# KiCad board ciaa_acc.kicad_pcb (continued)
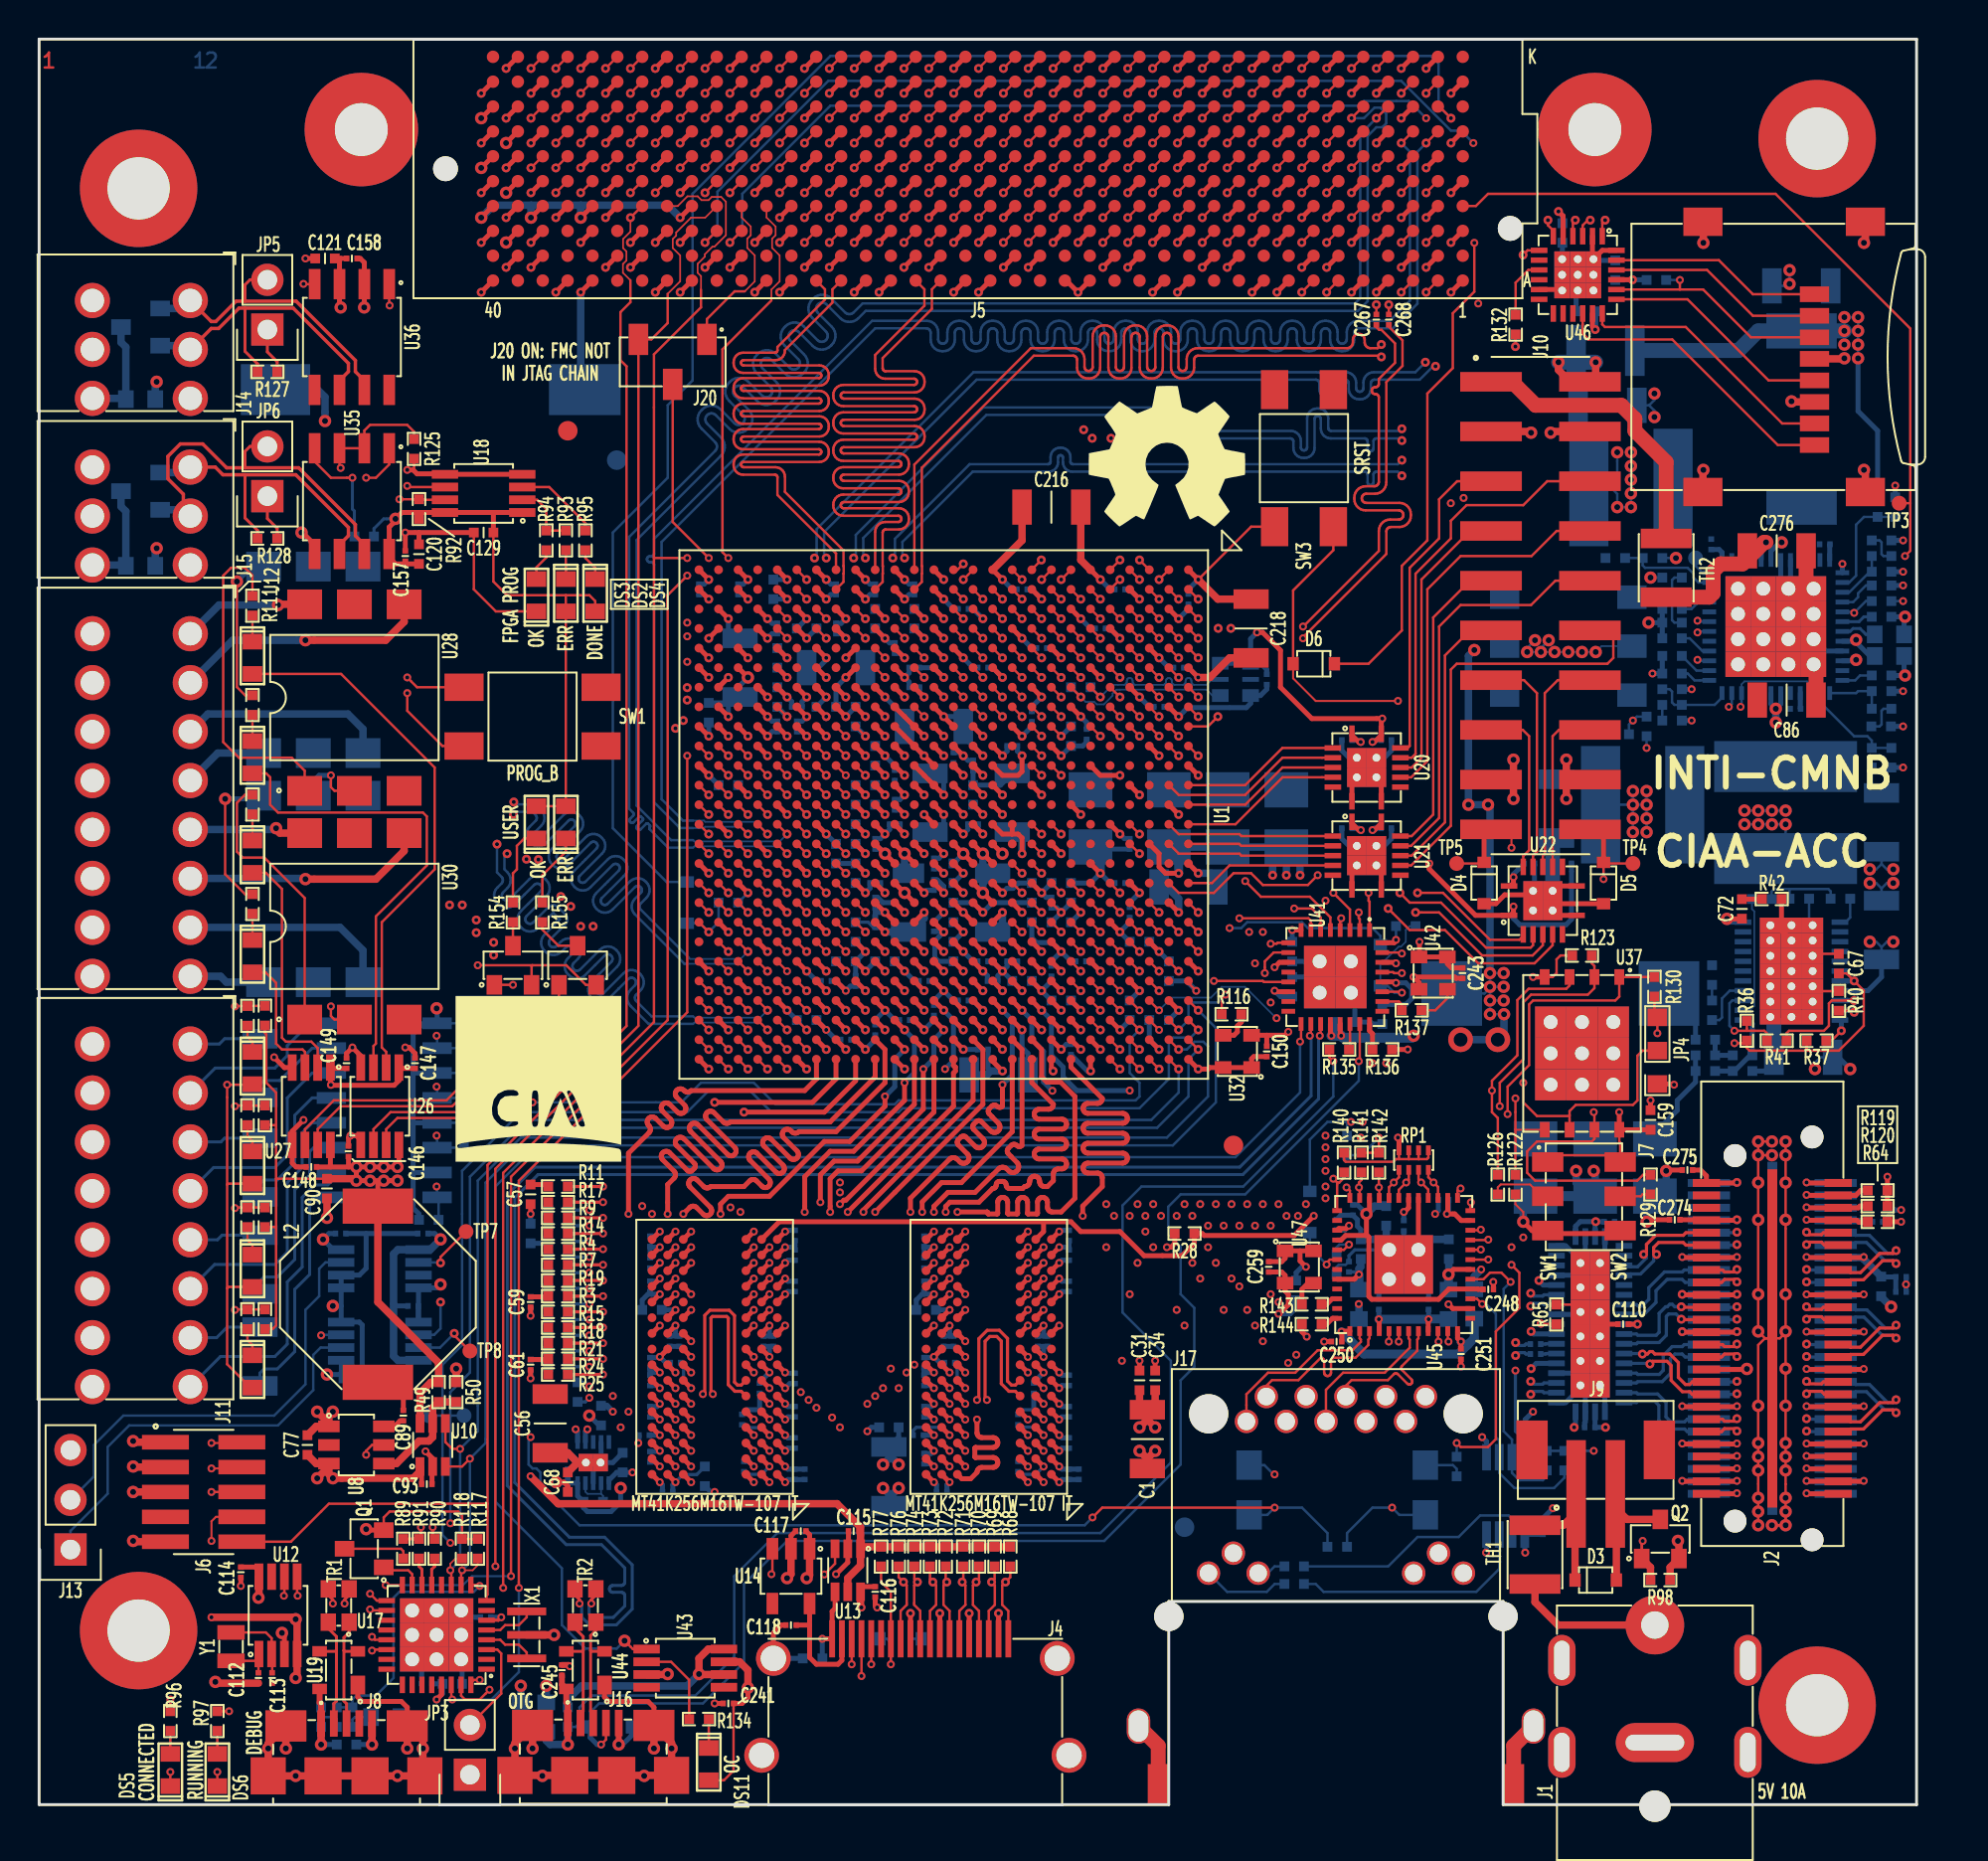
[diagram p0: board, top side]
## Routing (per net, layer and track width the routed paths; a pad name or vN(x,y) marks a point on that pad's centre or on a via; arc(x,y) is an arc through that point) (continued)
/Principal/BANK_502/DDR_A14: length 76.5
  TOP_L1.Sig w0.165: R17.2 v1(28.8,30.77)
  TOP_L1.Sig w0.254: U3.T7 v1(33.3,29.27) ; U2.T7 v1(47.3,29.27) ; U1.R20 v2(45.2,43.57)
  L3.Sig w0.165: v1(47.3,29.27) 47.3,29.67 47.7,29.67 ; v2(45.2,43.57) 45.7,43.07 45.7,37.17 45.7,37.13 45.68,37.09 45.66,37.05 45.63,37.02 45.59,37 45.55,36.98 45.51,36.98 45.19,36.98 45.15,36.98 45.11,36.96 45.07,36.94 45.04,36.91 45.02,36.87 45,36.83 45,36.79 45,36.75 45.02,36.71 45.04,36.67 45.07,36.64 45.11,36.62 45.15,36.6 45.19,36.6 46.21,36.6 46.25,36.59 46.29,36.58 46.33,36.56 46.36,36.53 46.38,36.49 46.4,36.45 46.4,36.41 46.4,36.37 46.38,36.33 46.36,36.29 46.33,36.26 46.29,36.24 46.25,36.22 46.21,36.22 45.89,36.22 45.85,36.21 45.81,36.2 45.77,36.18 45.74,36.15 45.72,36.11 45.7,36.07 45.7,36.03 45.7,35.99 45.72,35.95 45.74,35.91 45.77,35.88 45.81,35.86 45.85,35.84 45.89,35.84 46.21,35.84 46.25,35.83 46.29,35.82 46.33,35.8 46.36,35.77 46.38,35.73 46.4,35.69 46.4,35.65 46.4,35.61 46.38,35.57 46.36,35.53 46.33,35.5 46.29,35.48 46.25,35.46 46.21,35.46 45.89,35.46 45.85,35.45 45.81,35.44 45.77,35.42 45.74,35.39 45.72,35.35 45.7,35.31 45.7,35.27 45.7,35.23 45.72,35.19 45.74,35.15 45.77,35.12 45.81,35.1 45.85,35.08 45.89,35.08 46.21,35.08 46.25,35.07 46.29,35.06 46.33,35.04 46.36,35.01 46.38,34.97 46.4,34.93 46.4,34.89 46.4,34.85 46.38,34.81 46.36,34.77 46.33,34.74 46.29,34.72 46.25,34.7 46.21,34.7 45.89,34.7 45.85,34.69 45.81,34.68 45.77,34.66 45.74,34.63 45.72,34.59 45.7,34.55 45.7,34.51 45.7,34.47 45.72,34.43 45.74,34.39 45.77,34.36 45.81,34.34 45.85,34.32 45.89,34.32 46.21,34.32 46.25,34.31 46.29,34.3 46.33,34.28 46.36,34.25 46.38,34.21 46.4,34.17 46.4,34.13 46.4,34.09 46.38,34.05 46.36,34.01 46.33,33.98 46.29,33.96 46.25,33.94 46.21,33.94 45.89,33.94 45.85,33.93 45.81,33.92 45.77,33.9 45.74,33.87 45.72,33.83 45.7,33.79 45.7,33.75 45.7,33.71 45.72,33.67 45.74,33.63 45.77,33.6 45.81,33.58 45.85,33.56 45.89,33.56 46.21,33.56 46.25,33.55 46.29,33.54 46.33,33.52 46.36,33.49 46.38,33.45 46.4,33.41 46.4,33.37 46.4,33.33 46.38,33.29 46.36,33.25 46.33,33.22 46.29,33.2 46.25,33.18 46.21,33.18 45.89,33.18 45.85,33.17 45.81,33.16 45.77,33.14 45.74,33.11 45.72,33.07 45.7,33.03 45.7,32.99 45.7,32.47 46.1,32.07 46.14,32.07 46.18,32.09 46.22,32.11 46.25,32.14 46.27,32.18 46.29,32.22 46.29,32.26 46.29,32.48 46.29,32.52 46.31,32.56 46.33,32.6 46.36,32.63 46.4,32.65 46.44,32.67 46.48,32.67 46.52,32.67 46.56,32.65 46.6,32.63 46.63,32.6 46.65,32.56 46.67,32.52 46.67,32.48 46.67,32.26 46.68,32.22 46.69,32.18 46.71,32.14 46.74,32.11 46.78,32.09 46.82,32.07 46.86,32.07 46.9,32.07 46.94,32.09 46.98,32.11 47.01,32.14 47.03,32.18 47.05,32.22 47.05,32.26 47.05,32.38 47.06,32.42 47.07,32.46 47.09,32.5 47.12,32.53 47.16,32.55 47.2,32.57 47.24,32.57 47.28,32.57 47.32,32.55 47.36,32.53 47.39,32.5 47.41,32.46 47.43,32.42 47.43,32.38 47.43,32.26 47.44,32.22 47.45,32.18 47.47,32.14 47.5,32.11 47.54,32.09 47.58,32.07 47.62,32.07 47.66,32.07 47.7,32.09 47.74,32.11 47.77,32.14 47.79,32.18 47.81,32.22 47.81,32.26 47.81,32.38 47.82,32.42 47.83,32.46 47.85,32.5 47.88,32.53 47.92,32.55 47.96,32.57 48,32.57 48.04,32.57 48.08,32.55 48.12,32.53 48.15,32.5 48.17,32.46 48.19,32.42 48.19,32.38 48.19,32.26 48.2,32.22 48.21,32.18 48.23,32.14 48.26,32.11 48.3,32.09 48.34,32.07 48.38,32.07 48.42,32.07 48.46,32.09 48.5,32.11 48.53,32.14 48.55,32.18 48.57,32.22 48.57,32.26 48.57,32.38 48.58,32.42 48.59,32.46 48.61,32.5 48.64,32.53 48.68,32.55 48.72,32.57 48.76,32.57 48.8,32.57 48.84,32.55 48.88,32.53 48.91,32.5 48.93,32.46 48.95,32.42 48.95,32.38 48.95,32.26 48.96,32.22 48.97,32.18 48.99,32.14 49.02,32.11 49.06,32.09 49.1,32.07 49.14,32.07 49.18,32.07 49.22,32.09 49.26,32.11 49.29,32.14 49.31,32.18 49.33,32.22 49.33,32.26 49.33,32.38 49.34,32.42 49.35,32.46 49.37,32.5 49.4,32.53 49.44,32.55 49.48,32.57 49.52,32.57 49.56,32.57 49.6,32.55 49.64,32.53 49.67,32.5 49.69,32.46 49.71,32.42 49.71,32.38 49.71,32.26 49.72,32.22 49.73,32.18 49.75,32.14 49.78,32.11 49.82,32.09 49.86,32.07 49.9,32.07 49.94,32.07 49.98,32.09 50.02,32.11 50.05,32.14 50.07,32.18 50.09,32.22 50.09,32.26 50.09,32.38 50.1,32.42 50.11,32.46 50.13,32.5 50.16,32.53 50.2,32.55 50.24,32.57 50.28,32.57 50.32,32.57 50.36,32.55 50.4,32.53 50.43,32.5 50.45,32.46 50.47,32.42 50.47,32.38 50.47,32.26 50.48,32.22 50.49,32.18 50.51,32.14 50.54,32.11 50.58,32.09 50.62,32.07 50.66,32.07 50.7,32.07 50.74,32.09 50.78,32.11 50.81,32.14 50.83,32.18 50.85,32.22 50.85,32.26 50.85,32.38 50.86,32.42 50.87,32.46 50.89,32.5 50.92,32.53 50.96,32.55 51,32.57 51.04,32.57 51.08,32.57 51.13,32.55 51.16,32.53 51.19,32.5 51.21,32.46 51.23,32.42 51.23,32.38 51.23,32.26 51.24,32.22 51.25,32.18 51.27,32.14 51.3,32.11 51.34,32.09 51.38,32.07 51.42,32.07 51.47,32.07 51.51,32.09 51.54,32.11 51.57,32.14 51.59,32.18 51.61,32.22 51.61,32.26 51.61,32.38 51.62,32.42 51.63,32.46 51.65,32.5 51.68,32.53 51.72,32.55 51.76,32.57 51.8,32.57 51.85,32.57 51.89,32.55 51.92,32.53 51.95,32.5 51.97,32.46 51.99,32.42 51.99,32.38 51.99,32.26 52,32.22 52.01,32.18 52.03,32.14 52.06,32.11 52.1,32.09 52.14,32.07 52.18,32.07 52.23,32.07 52.27,32.09 52.3,32.11 52.33,32.14 52.35,32.18 52.37,32.22 52.37,32.26 52.37,32.38 52.38,32.42 52.39,32.46 52.41,32.5 52.44,32.53 52.48,32.55 52.52,32.57 52.56,32.57 52.61,32.57 52.65,32.55 52.68,32.53 52.71,32.5 52.73,32.46 52.75,32.42 52.75,32.38 52.75,32.26 52.76,32.22 52.77,32.18 52.79,32.14 52.83,32.11 52.86,32.09 52.9,32.07 52.96,32.07 52.98,32.06 52.99,32.05 53,32.04 53.01,32.03 53.02,32.01 53.02,31.98 53.03,31.96 53.03,31.95 53.05,31.94 53.06,31.93 53.08,31.92 53.09,31.92 53.32,31.92 53.34,31.92 53.36,31.93 53.37,31.94 53.38,31.95 53.39,31.96 53.4,31.98 53.4,32 53.4,32.38 53.4,32.42 53.42,32.46 53.44,32.5 53.47,32.53 53.51,32.55 53.55,32.57 53.59,32.57 53.63,32.57 53.67,32.55 53.71,32.53 53.74,32.5 53.76,32.46 53.77,32.42 53.78,32.38 53.78,31.76 53.78,31.72 53.8,31.68 53.82,31.64 53.85,31.61 53.89,31.59 53.93,31.57 53.97,31.57 54.01,31.57 54.05,31.59 54.09,31.61 54.12,31.64 54.14,31.68 54.15,31.72 54.16,31.76 54.16,32.38 54.16,32.42 54.18,32.46 54.2,32.5 54.23,32.53 54.27,32.55 54.31,32.57 54.35,32.57 54.39,32.57 54.43,32.55 54.47,32.53 54.5,32.5 54.52,32.46 54.53,32.42 54.54,32.38 54.54,32.26 54.54,32.22 54.56,32.18 54.58,32.14 54.61,32.11 54.65,32.09 54.69,32.07 54.73,32.07 55.11,32.07 55.3,31.88 55.3,29.87 55.1,29.67 52.8,29.67 52.79,29.67 52.78,29.67 52.77,29.66 52.76,29.65 52.75,29.64 52.75,29.63 52.75,29.61 52.75,29.6 52.74,29.59 52.73,29.58 52.72,29.57 52.71,29.57 52.7,29.57 52.4,29.57 52.39,29.57 52.38,29.57 52.37,29.58 52.36,29.59 52.35,29.6 52.35,29.61 52.35,29.62 52.35,30.1 52.34,30.14 52.33,30.18 52.31,30.22 52.27,30.25 52.24,30.28 52.19,30.29 52.15,30.3 52.11,30.29 52.06,30.28 52.03,30.25 51.99,30.22 51.97,30.18 51.96,30.14 51.95,30.1 51.95,29.87 51.94,29.83 51.93,29.78 51.91,29.75 51.87,29.71 51.84,29.69 51.79,29.68 51.75,29.67 51.71,29.68 51.66,29.69 51.63,29.71 51.59,29.75 51.57,29.78 51.56,29.83 51.55,29.87 51.55,30.1 51.54,30.14 51.53,30.18 51.51,30.22 51.47,30.25 51.44,30.28 51.39,30.29 51.35,30.3 51.31,30.29 51.26,30.28 51.23,30.25 51.19,30.22 51.17,30.18 51.16,30.14 51.15,30.1 51.15,29.62 51.15,29.61 51.15,29.6 51.14,29.59 51.13,29.58 51.12,29.57 51.11,29.57 51.1,29.57 50.8,29.57 50.79,29.57 50.78,29.57 50.77,29.58 50.76,29.59 50.75,29.6 50.75,29.61 50.75,29.62 50.75,30.1 50.74,30.14 50.73,30.18 50.71,30.22 50.67,30.25 50.64,30.28 50.59,30.29 50.55,30.3 50.51,30.29 50.46,30.28 50.43,30.25 50.39,30.22 50.37,30.18 50.36,30.14 50.35,30.1 50.35,29.87 50.34,29.83 50.33,29.78 50.31,29.75 50.27,29.71 50.24,29.69 50.19,29.68 50.15,29.67 50.11,29.68 50.06,29.69 50.03,29.71 49.99,29.75 49.97,29.78 49.96,29.83 49.95,29.87 49.95,30.1 49.94,30.14 49.93,30.18 49.91,30.22 49.87,30.25 49.84,30.28 49.79,30.29 49.75,30.3 49.71,30.29 49.66,30.28 49.63,30.25 49.59,30.22 49.57,30.18 49.56,30.14 49.55,30.1 49.55,29.39 49.54,29.35 49.53,29.31 49.51,29.27 49.47,29.24 49.44,29.21 49.39,29.2 49.35,29.19 49.31,29.2 49.26,29.21 49.23,29.24 49.19,29.27 49.17,29.31 49.16,29.35 49.15,29.39 49.15,30.1 49.14,30.14 49.13,30.18 49.11,30.22 49.07,30.25 49.04,30.28 48.99,30.29 48.95,30.3 48.91,30.29 48.86,30.28 48.83,30.25 48.79,30.22 48.77,30.18 48.76,30.14 48.75,30.1 48.75,29.87 48.74,29.83 48.73,29.78 48.71,29.75 48.67,29.71 48.64,29.69 48.59,29.68 48.55,29.67 47.7,29.67 ; 47.7,29.67 33.3,29.67 ; 33.3,29.67 v1(33.3,29.27) ; 33.3,29.67 29.9,29.67 v1(28.8,30.77)
/Principal/BANK_502/DDR_BA0: length 80.5
  TOP_L1.Sig w0.165: R18.2 v1(28.8,24.37)
  TOP_L1.Sig w0.254: U3.M2 v1(37.3,26.07) ; U1.U22 v2(43.2,41.57) ; U2.M2 v1(51.3,26.07)
  L5.Sig w0.165: v1(63.3,30.67) 63.3,31.47 61.1,33.67 54.1,33.67 54.04,33.66 53.99,33.65 53.94,33.62 53.9,33.58 53.87,33.53 53.86,33.48 53.84,33.37 53.83,33.31 53.8,33.27 53.76,33.23 53.71,33.2 53.66,33.18 53.6,33.17 53.6,33.17 53.54,33.18 53.49,33.2 53.44,33.23 53.4,33.27 53.37,33.31 53.36,33.37 53.35,33.42 53.35,33.92 53.34,33.97 53.33,34.03 53.3,34.07 53.26,34.11 53.21,34.14 53.16,34.16 53.1,34.17 53.1,34.17 53.04,34.16 52.99,34.14 52.94,34.11 52.9,34.07 52.87,34.03 52.86,33.97 52.85,33.92 52.85,33.42 52.84,33.37 52.83,33.31 52.8,33.27 52.76,33.23 52.71,33.2 52.66,33.18 52.6,33.17 52.6,33.17 52.54,33.18 52.49,33.2 52.44,33.23 52.4,33.27 52.37,33.31 52.36,33.37 52.35,33.42 52.35,33.92 52.34,33.97 52.33,34.03 52.3,34.07 52.26,34.11 52.21,34.14 52.16,34.16 52.1,34.17 52.1,34.17 52.04,34.16 51.99,34.14 51.94,34.11 51.9,34.07 51.87,34.03 51.86,33.97 51.85,33.92 51.85,33.42 51.84,33.37 51.83,33.31 51.8,33.27 51.76,33.23 51.71,33.2 51.66,33.18 51.6,33.17 51.6,33.17 51.54,33.18 51.49,33.2 51.44,33.23 51.4,33.27 51.37,33.31 51.36,33.37 51.35,33.42 51.35,33.92 51.34,33.97 51.33,34.03 51.3,34.07 51.26,34.11 51.21,34.14 51.16,34.16 51.1,34.17 51.1,34.17 51.04,34.16 50.99,34.14 50.94,34.11 50.9,34.07 50.87,34.03 50.86,33.97 50.85,33.92 50.85,33.42 50.84,33.37 50.83,33.31 50.8,33.27 50.76,33.23 50.71,33.2 50.66,33.18 50.6,33.17 50.6,33.17 50.54,33.18 50.49,33.2 50.44,33.23 50.4,33.27 50.37,33.31 50.36,33.37 50.35,33.42 50.35,33.92 50.34,33.97 50.33,34.03 50.3,34.07 50.26,34.11 50.21,34.14 50.16,34.16 50.1,34.17 50.1,34.17 50.04,34.16 49.99,34.14 49.94,34.11 49.9,34.07 49.87,34.03 49.86,33.97 49.85,33.92 49.85,33.42 49.84,33.37 49.83,33.31 49.8,33.27 49.76,33.23 49.71,33.2 49.66,33.18 49.6,33.17 49.6,33.17 49.54,33.18 49.49,33.2 49.44,33.23 49.4,33.27 49.37,33.31 49.36,33.37 49.35,33.42 49.35,33.92 49.34,33.97 49.33,34.03 49.3,34.07 49.26,34.11 49.21,34.14 49.16,34.16 49.1,34.17 49.1,34.17 49.04,34.16 48.99,34.14 48.94,34.11 48.9,34.07 48.87,34.03 48.86,33.97 48.85,33.92 48.85,33.67 48.85,33.67 48.85,33.42 48.84,33.37 48.82,33.31 48.79,33.27 48.75,33.23 48.71,33.2 48.66,33.18 48.6,33.17 48.6,33.17 48.54,33.18 48.49,33.2 48.44,33.23 48.4,33.27 48.37,33.31 48.35,33.37 48.34,33.48 48.32,33.53 48.29,33.58 48.25,33.62 48.21,33.65 48.16,33.66 48.1,33.67 44.7,37.07 44.7,40.87 44.5,41.07 43.7,41.07 v2(43.2,41.57)
  L8.Sig w0.165: 51.7,25.67 51.3,25.67 v1(51.3,26.07) ; 51.7,25.67 v1(63.3,25.67) ; 51.7,25.67 37.3,25.67 ; v1(37.3,26.07) 37.3,25.67 ; 37.3,25.67 30.1,25.67 v1(28.8,24.37)
  L10.Sig w0.165: v1(63.3,25.67) v1(63.3,30.67)
/Principal/BANK_502/DDR_BA1: length 75.7
  TOP_L1.Sig w0.165: R19.2 v1(28.8,26.77)
  TOP_L1.Sig w0.254: U3.N8 v1(32.5,26.87) ; U2.N8 v1(46.5,26.87) ; U1.T22 v2(44.2,41.57)
  L5.Sig w0.165: v1(32.5,26.87) 32.5,27.27 ; 32.5,27.27 30.92,27.27 30.88,27.27 30.85,27.25 30.82,27.24 30.79,27.21 30.78,27.18 30.76,27.15 30.76,27.07 30.74,27.04 30.72,27.01 30.7,26.99 30.67,26.97 30.64,26.95 30.6,26.95 30.52,26.95 30.48,26.95 30.45,26.97 30.42,26.99 30.39,27.01 30.38,27.04 30.36,27.07 30.36,27.15 30.34,27.18 30.32,27.21 30.3,27.24 30.27,27.25 30.24,27.27 30.2,27.27 29.9,27.27 29.4,26.77 v1(28.8,26.77) ; 32.5,27.27 46.9,27.27 ; v1(46.5,26.87) 46.5,27.27 46.9,27.27 ; 46.9,27.27 58.5,27.27 v1(58.9,27.67)
  L8.Sig w0.165: v1(58.9,30.07) 58.9,31.77 58.6,32.07 48.92,32.07 48.89,32.07 48.85,32.09 48.82,32.11 48.79,32.14 48.77,32.17 48.75,32.21 48.75,32.25 48.75,32.39 48.75,32.43 48.73,32.47 48.71,32.5 48.68,32.53 48.65,32.55 48.61,32.57 48.58,32.57 48.54,32.57 48.5,32.55 48.47,32.53 48.44,32.5 48.42,32.47 48.4,32.43 48.4,32.39 48.4,31.92 48.4,31.89 48.39,31.85 48.37,31.83 48.34,31.8 48.32,31.78 48.28,31.77 48.25,31.77 48.2,31.77 48.17,31.77 48.13,31.78 48.11,31.8 48.08,31.83 48.06,31.85 48.05,31.89 48.05,31.92 48.05,32.39 48.05,32.43 48.03,32.47 48.01,32.5 47.98,32.53 47.95,32.55 47.91,32.57 47.88,32.57 47.84,32.57 47.8,32.55 47.77,32.53 47.74,32.5 47.72,32.47 47.7,32.43 47.7,32.39 47.7,31.92 47.7,31.89 47.69,31.85 47.67,31.83 47.64,31.8 47.62,31.78 47.58,31.77 47.55,31.77 47.5,31.77 47.47,31.77 47.43,31.78 47.41,31.8 47.38,31.83 47.36,31.85 47.35,31.89 47.35,31.92 47.35,32.39 47.35,32.43 47.33,32.47 47.31,32.5 47.28,32.53 47.25,32.55 47.21,32.57 47.17,32.57 47.14,32.57 47.1,32.55 47.07,32.53 47.04,32.5 47.02,32.47 47,32.43 47,32.39 47,31.92 47,31.89 46.99,31.85 46.97,31.83 46.94,31.8 46.92,31.78 46.88,31.77 46.85,31.77 46.8,31.77 46.77,31.77 46.73,31.78 46.71,31.8 46.68,31.83 46.66,31.85 46.65,31.89 46.65,31.92 46.65,32.39 46.65,32.43 46.63,32.47 46.61,32.5 46.58,32.53 46.55,32.55 46.51,32.57 46.47,32.57 46.44,32.57 46.4,32.55 46.37,32.53 46.34,32.5 46.32,32.47 46.3,32.43 46.3,32.39 46.3,31.92 46.3,31.89 46.29,31.85 46.27,31.83 46.24,31.8 46.22,31.78 46.18,31.77 46.15,31.77 46.1,31.77 46.07,31.77 46.03,31.78 46.01,31.8 45.98,31.83 45.96,31.85 45.95,31.89 45.95,31.92 45.95,32.55 45.95,32.58 45.93,32.62 45.91,32.65 45.88,32.68 45.85,32.7 45.81,32.72 45.78,32.72 45.74,32.72 45.7,32.7 45.67,32.68 45.64,32.65 45.62,32.62 45.6,32.58 45.6,32.55 45.6,31.92 45.6,31.89 45.59,31.85 45.57,31.83 45.54,31.8 45.52,31.78 45.48,31.77 45.45,31.77 45.4,31.77 45.37,31.77 45.33,31.78 45.31,31.8 45.28,31.83 45.26,31.85 45.25,31.89 45.25,31.95 45.24,31.99 45.22,32.01 45.19,32.04 45.17,32.06 45.13,32.07 45.1,32.07 44.7,32.47 44.7,32.92 44.7,32.96 44.72,33 44.74,33.03 44.77,33.06 44.8,33.08 44.84,33.09 44.88,33.09 45.17,33.09 45.21,33.1 45.25,33.11 45.28,33.13 45.31,33.16 45.33,33.19 45.35,33.23 45.35,33.27 45.35,33.31 45.33,33.35 45.31,33.38 45.28,33.41 45.25,33.43 45.21,33.44 45.17,33.45 44.88,33.45 44.84,33.45 44.8,33.46 44.77,33.48 44.74,33.51 44.72,33.54 44.7,33.58 44.7,33.62 44.7,33.66 44.72,33.7 44.74,33.73 44.77,33.76 44.8,33.78 44.84,33.79 44.88,33.8 45.17,33.8 45.21,33.8 45.25,33.81 45.28,33.83 45.31,33.86 45.33,33.89 45.35,33.93 45.35,33.97 45.35,34.01 45.33,34.05 45.31,34.08 45.28,34.11 45.25,34.13 45.21,34.14 45.17,34.14 44.88,34.14 44.84,34.15 44.8,34.16 44.77,34.18 44.74,34.21 44.72,34.24 44.7,34.28 44.7,34.32 44.7,34.36 44.72,34.4 44.74,34.43 44.77,34.46 44.8,34.48 44.84,34.49 44.88,34.5 45.17,34.5 45.21,34.5 45.25,34.51 45.28,34.53 45.31,34.56 45.33,34.59 45.35,34.63 45.35,34.67 45.35,34.71 45.33,34.75 45.31,34.78 45.28,34.81 45.25,34.83 45.21,34.84 45.17,34.84 44.88,34.84 44.84,34.85 44.8,34.86 44.77,34.88 44.74,34.91 44.72,34.94 44.7,34.98 44.7,35.02 44.7,35.06 44.72,35.1 44.74,35.13 44.77,35.16 44.8,35.18 44.84,35.19 44.88,35.2 45.17,35.2 45.21,35.2 45.25,35.21 45.28,35.23 45.31,35.26 45.33,35.29 45.35,35.33 45.35,35.37 45.35,35.41 45.33,35.45 45.31,35.48 45.28,35.51 45.25,35.53 45.21,35.54 45.17,35.55 44.65,35.55 44.64,35.55 44.63,35.55 44.62,35.56 44.61,35.56 44.6,35.57 44.6,35.58 44.6,35.59 44.6,35.84 44.6,35.86 44.6,35.87 44.61,35.88 44.62,35.88 44.63,35.89 44.64,35.89 44.66,35.9 44.67,35.9 44.68,35.91 44.69,35.91 44.7,35.92 44.7,35.93 44.7,35.98 44.72,36.02 44.74,36.05 44.77,36.08 44.8,36.1 44.84,36.12 44.88,36.12 45.17,36.12 45.21,36.12 45.25,36.14 45.28,36.16 45.31,36.19 45.33,36.22 45.35,36.26 45.35,36.3 45.35,36.33 45.33,36.37 45.31,36.4 45.28,36.43 45.25,36.45 45.21,36.47 45.17,36.47 44.65,36.47 44.64,36.47 44.63,36.47 44.62,36.48 44.61,36.49 44.6,36.5 44.6,36.51 44.6,36.52 44.6,36.77 44.6,36.78 44.6,36.79 44.61,36.8 44.62,36.81 44.63,36.82 44.64,36.82 44.66,36.82 44.67,36.82 44.68,36.83 44.69,36.84 44.7,36.85 44.7,36.86 44.7,36.87 44.7,41.07 v2(44.2,41.57)
  L10.Sig w0.165: v1(58.9,30.07) v1(58.9,27.67)
/Principal/BANK_502/DDR_BA2: length 79.3
  TOP_L1.Sig w0.254: U3.M3 v1(36.5,26.07) ; U2.M3 v1(50.5,26.07) ; U1.R22 v2(45.2,41.57)
  L5.Sig w0.165: v1(36.5,26.07) 36.5,26.47 ; 36.5,26.47 51,26.47 ; 36.5,26.47 29.9,26.47 29.8,26.37 v1(28.1,26.37) ; 51,26.47 58.9,26.47 v1(59.3,26.87) ; 51,26.47 50.5,26.47 v1(50.5,26.07)
  L8.Sig w0.165: v2(45.2,41.57) 45.7,41.07 45.7,36.97 45.7,36.95 45.69,36.94 45.68,36.92 45.67,36.91 45.66,36.9 45.64,36.9 45.61,36.89 45.59,36.89 45.58,36.88 45.57,36.87 45.56,36.85 45.55,36.84 45.55,36.82 45.55,36.57 45.55,36.55 45.56,36.54 45.57,36.52 45.58,36.51 45.59,36.5 45.61,36.5 45.62,36.5 46.2,36.5 46.24,36.49 46.29,36.48 46.32,36.45 46.36,36.42 46.38,36.38 46.39,36.34 46.4,36.3 46.39,36.25 46.38,36.21 46.36,36.17 46.32,36.14 46.29,36.11 46.24,36.1 46.2,36.09 45.62,36.09 45.61,36.09 45.59,36.09 45.58,36.08 45.57,36.07 45.56,36.05 45.55,36.04 45.55,36.02 45.55,35.77 45.55,35.75 45.56,35.74 45.57,35.72 45.58,35.71 45.59,35.7 45.61,35.7 45.62,35.7 46.2,35.7 46.24,35.69 46.29,35.68 46.32,35.65 46.36,35.62 46.38,35.58 46.39,35.54 46.4,35.5 46.39,35.45 46.38,35.41 46.36,35.37 46.32,35.34 46.29,35.31 46.24,35.3 46.2,35.3 45.9,35.3 45.86,35.29 45.81,35.28 45.78,35.25 45.74,35.22 45.72,35.18 45.71,35.14 45.7,35.09 45.71,35.05 45.72,35.01 45.74,34.97 45.78,34.94 45.81,34.91 45.86,34.9 45.9,34.89 46.2,34.89 46.24,34.89 46.29,34.88 46.32,34.85 46.36,34.82 46.38,34.78 46.39,34.74 46.4,34.7 46.39,34.65 46.38,34.61 46.36,34.57 46.32,34.54 46.29,34.51 46.24,34.5 46.2,34.5 45.65,34.5 45.64,34.49 45.63,34.49 45.62,34.48 45.61,34.48 45.6,34.47 45.6,34.46 45.6,34.45 45.6,34.14 45.6,34.13 45.6,34.12 45.61,34.11 45.62,34.11 45.63,34.1 45.64,34.1 45.65,34.09 46.25,34.09 46.29,34.09 46.34,34.08 46.37,34.05 46.41,34.02 46.43,33.98 46.44,33.94 46.45,33.89 46.44,33.85 46.43,33.81 46.41,33.77 46.37,33.74 46.34,33.71 46.29,33.7 46.25,33.7 45.9,33.7 45.86,33.69 45.81,33.68 45.78,33.65 45.74,33.62 45.72,33.58 45.71,33.54 45.7,33.5 45.7,33.27 46.1,32.87 48.9,32.87 48.94,32.87 48.98,32.85 49.01,32.83 49.04,32.8 49.06,32.77 49.07,32.73 49.08,32.7 49.08,32.56 49.08,32.52 49.09,32.49 49.11,32.45 49.14,32.43 49.17,32.41 49.21,32.39 49.25,32.39 49.29,32.39 49.33,32.41 49.36,32.43 49.39,32.45 49.41,32.49 49.42,32.52 49.42,32.56 49.42,33.08 49.43,33.12 49.44,33.15 49.46,33.19 49.49,33.21 49.52,33.23 49.56,33.25 49.6,33.25 49.64,33.25 49.68,33.23 49.71,33.21 49.74,33.19 49.76,33.15 49.77,33.12 49.78,33.08 49.78,32.56 49.78,32.52 49.79,32.49 49.81,32.45 49.84,32.43 49.87,32.41 49.91,32.39 49.95,32.39 49.99,32.39 50.03,32.41 50.06,32.43 50.09,32.45 50.11,32.49 50.12,32.52 50.12,32.56 50.12,33.08 50.13,33.12 50.14,33.15 50.16,33.19 50.19,33.21 50.22,33.23 50.26,33.25 50.3,33.25 50.34,33.25 50.38,33.23 50.41,33.21 50.44,33.19 50.46,33.15 50.47,33.12 50.47,33.08 50.47,32.56 50.48,32.52 50.49,32.49 50.51,32.45 50.54,32.43 50.57,32.41 50.61,32.39 50.65,32.39 50.69,32.39 50.73,32.41 50.76,32.43 50.79,32.45 50.81,32.49 50.82,32.52 50.83,32.56 50.83,33.08 50.83,33.12 50.84,33.15 50.86,33.19 50.89,33.21 50.92,33.23 50.96,33.25 51,33.25 51.04,33.25 51.08,33.23 51.11,33.21 51.14,33.19 51.16,33.15 51.17,33.12 51.17,33.08 51.17,32.56 51.18,32.52 51.19,32.49 51.21,32.45 51.24,32.43 51.27,32.41 51.31,32.39 51.35,32.39 51.39,32.39 51.43,32.41 51.46,32.43 51.49,32.45 51.51,32.49 51.52,32.52 51.53,32.56 51.53,33.08 51.53,33.12 51.54,33.15 51.56,33.19 51.59,33.21 51.62,33.23 51.66,33.25 51.7,33.25 51.74,33.25 51.78,33.23 51.81,33.21 51.84,33.19 51.86,33.15 51.87,33.12 51.88,33.08 51.88,32.56 51.88,32.52 51.89,32.49 51.91,32.45 51.94,32.43 51.97,32.41 52.01,32.39 52.05,32.39 52.09,32.39 52.13,32.41 52.16,32.43 52.19,32.45 52.21,32.49 52.22,32.52 52.22,32.56 52.22,33.08 52.23,33.12 52.24,33.15 52.26,33.19 52.29,33.21 52.32,33.23 52.36,33.25 52.4,33.25 52.44,33.25 52.48,33.23 52.51,33.21 52.54,33.19 52.56,33.15 52.57,33.12 52.58,33.08 52.58,32.56 52.58,32.52 52.59,32.49 52.61,32.45 52.64,32.43 52.67,32.41 52.71,32.39 52.75,32.39 52.79,32.39 52.83,32.41 52.86,32.43 52.89,32.45 52.91,32.49 52.92,32.52 52.92,32.56 52.92,33.18 52.93,33.22 52.94,33.25 52.96,33.29 52.99,33.31 53.02,33.33 53.06,33.35 53.1,33.35 53.14,33.35 53.18,33.33 53.21,33.31 53.24,33.29 53.26,33.25 53.27,33.22 53.28,33.18 53.28,32.56 53.28,32.52 53.29,32.49 53.31,32.45 53.34,32.43 53.37,32.41 53.41,32.39 53.45,32.39 53.49,32.39 53.53,32.41 53.56,32.43 53.59,32.45 53.61,32.49 53.62,32.52 53.62,32.56 53.62,33.18 53.63,33.22 53.64,33.25 53.66,33.29 53.69,33.31 53.72,33.33 53.76,33.35 53.8,33.35 53.84,33.35 53.88,33.33 53.91,33.31 53.94,33.29 53.96,33.25 53.97,33.22 53.97,33.18 53.97,33.05 53.98,33.01 53.99,32.97 54.01,32.94 54.04,32.91 54.07,32.89 54.11,32.87 54.15,32.87 59,32.87 59.3,32.57 v1(59.3,30.67)
  L10.Sig w0.165: v1(59.3,30.67) v1(59.3,26.87)
  BOT_L12.Sig w0.165: R20.2 v1(28.1,26.37)
/Principal/BANK_502/DDR_CAS: length 79.7
  TOP_L1.Sig w0.165: R21.2 v1(28.8,23.57)
  TOP_L1.Sig w0.254: U3.K3 v1(36.5,24.47) ; U1.Y23 v2(40.2,40.57) ; U2.K3 v1(50.5,24.47)
  L5.Sig w0.165: 50.9,24.87 50.5,24.87 v1(50.5,24.47) ; 50.9,24.87 36.5,24.87 ; 50.9,24.87 61.3,24.87 v1(61.7,25.27) ; v1(61.7,30.67) 61.3,31.07 54.2,31.07 53.8,30.67 43.9,30.67 42.66,31.91 42.63,31.95 42.61,31.99 42.6,32.04 42.6,32.09 42.61,32.14 42.63,32.19 42.66,32.22 42.68,32.24 42.71,32.28 42.74,32.33 42.75,32.38 42.75,32.43 42.74,32.48 42.71,32.52 42.68,32.56 42.64,32.59 42.6,32.62 42.55,32.63 42.5,32.63 42.45,32.62 42.4,32.59 42.37,32.56 42.01,32.2 41.97,32.17 41.92,32.15 41.87,32.14 41.82,32.14 41.77,32.15 41.73,32.17 41.69,32.2 41.66,32.24 41.64,32.29 41.62,32.34 41.62,32.39 41.64,32.44 41.66,32.48 41.69,32.52 42.05,32.88 42.08,32.92 42.1,32.97 42.11,33.01 42.11,33.06 42.1,33.11 42.08,33.16 42.05,33.2 42.01,33.23 41.96,33.25 41.91,33.26 41.86,33.26 41.81,33.25 41.77,33.23 41.73,33.2 41.37,32.84 41.33,32.81 41.29,32.79 41.24,32.78 41.19,32.78 41.14,32.79 41.09,32.81 41.05,32.84 41.02,32.88 41,32.93 40.99,32.97 40.99,33.03 41,33.07 41.02,33.12 41.05,33.16 41.41,33.52 41.44,33.56 41.46,33.6 41.48,33.65 41.48,33.7 41.46,33.75 41.44,33.8 41.41,33.84 41.37,33.87 41.33,33.89 41.28,33.9 41.23,33.9 41.18,33.89 41.13,33.87 41.09,33.84 40.73,33.48 40.7,33.45 40.65,33.42 40.6,33.41 40.55,33.41 40.5,33.42 40.46,33.45 40.42,33.48 40.39,33.52 40.36,33.56 40.35,33.61 40.35,33.66 40.36,33.71 40.39,33.76 40.42,33.8 40.77,34.15 40.81,34.19 40.83,34.24 40.84,34.29 40.84,34.34 40.83,34.39 40.81,34.43 40.77,34.47 40.73,34.5 40.69,34.52 40.64,34.54 40.59,34.54 40.54,34.52 40.5,34.5 40.46,34.47 40.1,34.11 40.06,34.08 40.01,34.06 39.96,34.05 39.91,34.05 39.87,34.06 39.82,34.08 39.78,34.11 39.75,34.15 39.73,34.2 39.72,34.25 39.72,34.3 39.73,34.35 39.75,34.39 39.78,34.43 39.8,34.45 39.83,34.49 39.85,34.54 39.86,34.59 39.86,34.64 39.85,34.69 39.83,34.73 39.8,34.77 39.7,34.87 39.7,40.07 v2(40.2,40.57) ; 36.5,24.87 30.3,24.87 29,23.57 v1(28.8,23.57) ; 36.5,24.87 v1(36.5,24.47)
  L10.Sig w0.165: v1(61.7,30.67) v1(61.7,25.27)
/Principal/BANK_502/DDR_CKE: length 74.8
  TOP_L1.Sig w0.254: U2.K9 v1(45.7,24.47) ; U3.K9 v1(31.7,24.47) ; U1.U21 v2(43.2,42.57)
  L3.Sig w0.165: v1(45.7,24.47) 45.7,24.07 46.2,24.07 ; 46.2,24.07 58.1,24.07 v1(58.5,24.47) ; 46.2,24.07 31.7,24.07 ; 31.7,24.07 30.3,24.07 29.4,23.17 v1(28.1,23.17) ; 31.7,24.07 v1(31.7,24.47)
  L8.Sig w0.165: v1(58.5,30.67) 58.5,31.17 58.2,31.47 44.3,31.47 43.7,32.07 43.7,32.49 43.7,32.53 43.72,32.56 43.74,32.6 43.76,32.62 43.79,32.64 43.83,32.65 43.87,32.66 44.18,32.66 44.22,32.66 44.26,32.67 44.29,32.69 44.31,32.72 44.33,32.75 44.35,32.79 44.35,32.82 44.35,32.86 44.33,32.89 44.31,32.93 44.29,32.95 44.26,32.97 44.22,32.98 44.18,32.99 43.87,32.99 43.83,32.99 43.79,33 43.76,33.02 43.74,33.05 43.72,33.08 43.7,33.12 43.7,33.15 43.7,33.19 43.72,33.22 43.74,33.26 43.76,33.28 43.79,33.3 43.83,33.31 43.87,33.32 44.18,33.32 44.22,33.32 44.26,33.33 44.29,33.35 44.31,33.38 44.33,33.41 44.35,33.45 44.35,33.48 44.35,33.52 44.33,33.55 44.31,33.59 44.29,33.61 44.26,33.63 44.22,33.64 44.18,33.65 43.87,33.65 43.83,33.65 43.79,33.66 43.76,33.68 43.74,33.71 43.72,33.74 43.7,33.78 43.7,33.81 43.7,33.85 43.72,33.88 43.74,33.92 43.76,33.94 43.79,33.96 43.83,33.97 43.87,33.98 44.18,33.98 44.22,33.98 44.26,33.99 44.29,34.01 44.31,34.04 44.33,34.07 44.35,34.11 44.35,34.14 44.35,34.18 44.33,34.22 44.31,34.25 44.29,34.27 44.26,34.29 44.22,34.3 44.18,34.31 43.65,34.31 43.64,34.31 43.63,34.31 43.62,34.32 43.61,34.33 43.6,34.34 43.6,34.35 43.6,34.36 43.6,34.59 43.6,34.6 43.6,34.61 43.61,34.62 43.62,34.63 43.63,34.63 43.64,34.64 43.65,34.64 44.18,34.64 44.22,34.64 44.26,34.66 44.29,34.67 44.31,34.7 44.33,34.73 44.35,34.77 44.35,34.8 44.35,34.84 44.33,34.88 44.31,34.91 44.29,34.93 44.26,34.95 44.22,34.96 44.18,34.97 43.87,34.97 43.83,34.97 43.79,34.99 43.76,35.01 43.74,35.03 43.72,35.06 43.7,35.1 43.7,35.13 43.7,35.17 43.72,35.21 43.74,35.24 43.76,35.26 43.79,35.28 43.83,35.3 43.87,35.3 44.18,35.3 44.22,35.3 44.26,35.32 44.29,35.34 44.31,35.36 44.33,35.39 44.35,35.43 44.35,35.46 44.35,35.5 44.33,35.54 44.31,35.57 44.29,35.59 44.26,35.61 44.22,35.63 44.18,35.63 43.6,35.63 43.58,35.63 43.56,35.64 43.54,35.65 43.52,35.67 43.51,35.69 43.5,35.71 43.5,35.73 43.5,35.86 43.5,35.88 43.51,35.9 43.52,35.92 43.54,35.94 43.56,35.95 43.58,35.96 43.6,35.96 44.18,35.96 44.22,35.96 44.26,35.98 44.29,36 44.31,36.02 44.33,36.05 44.35,36.09 44.35,36.12 44.35,36.16 44.33,36.2 44.31,36.23 44.29,36.25 44.26,36.27 44.22,36.29 44.18,36.29 43.65,36.29 43.64,36.29 43.63,36.29 43.62,36.3 43.61,36.31 43.6,36.32 43.6,36.33 43.6,36.34 43.6,36.57 43.6,36.58 43.6,36.59 43.61,36.6 43.62,36.61 43.63,36.62 43.64,36.62 43.66,36.62 43.67,36.62 43.68,36.63 43.69,36.64 43.7,36.65 43.7,36.66 43.7,36.67 43.7,42.07 v2(43.2,42.57)